# KiCad board matrix-7seg8-x02-x06.kicad_pcb (continued)
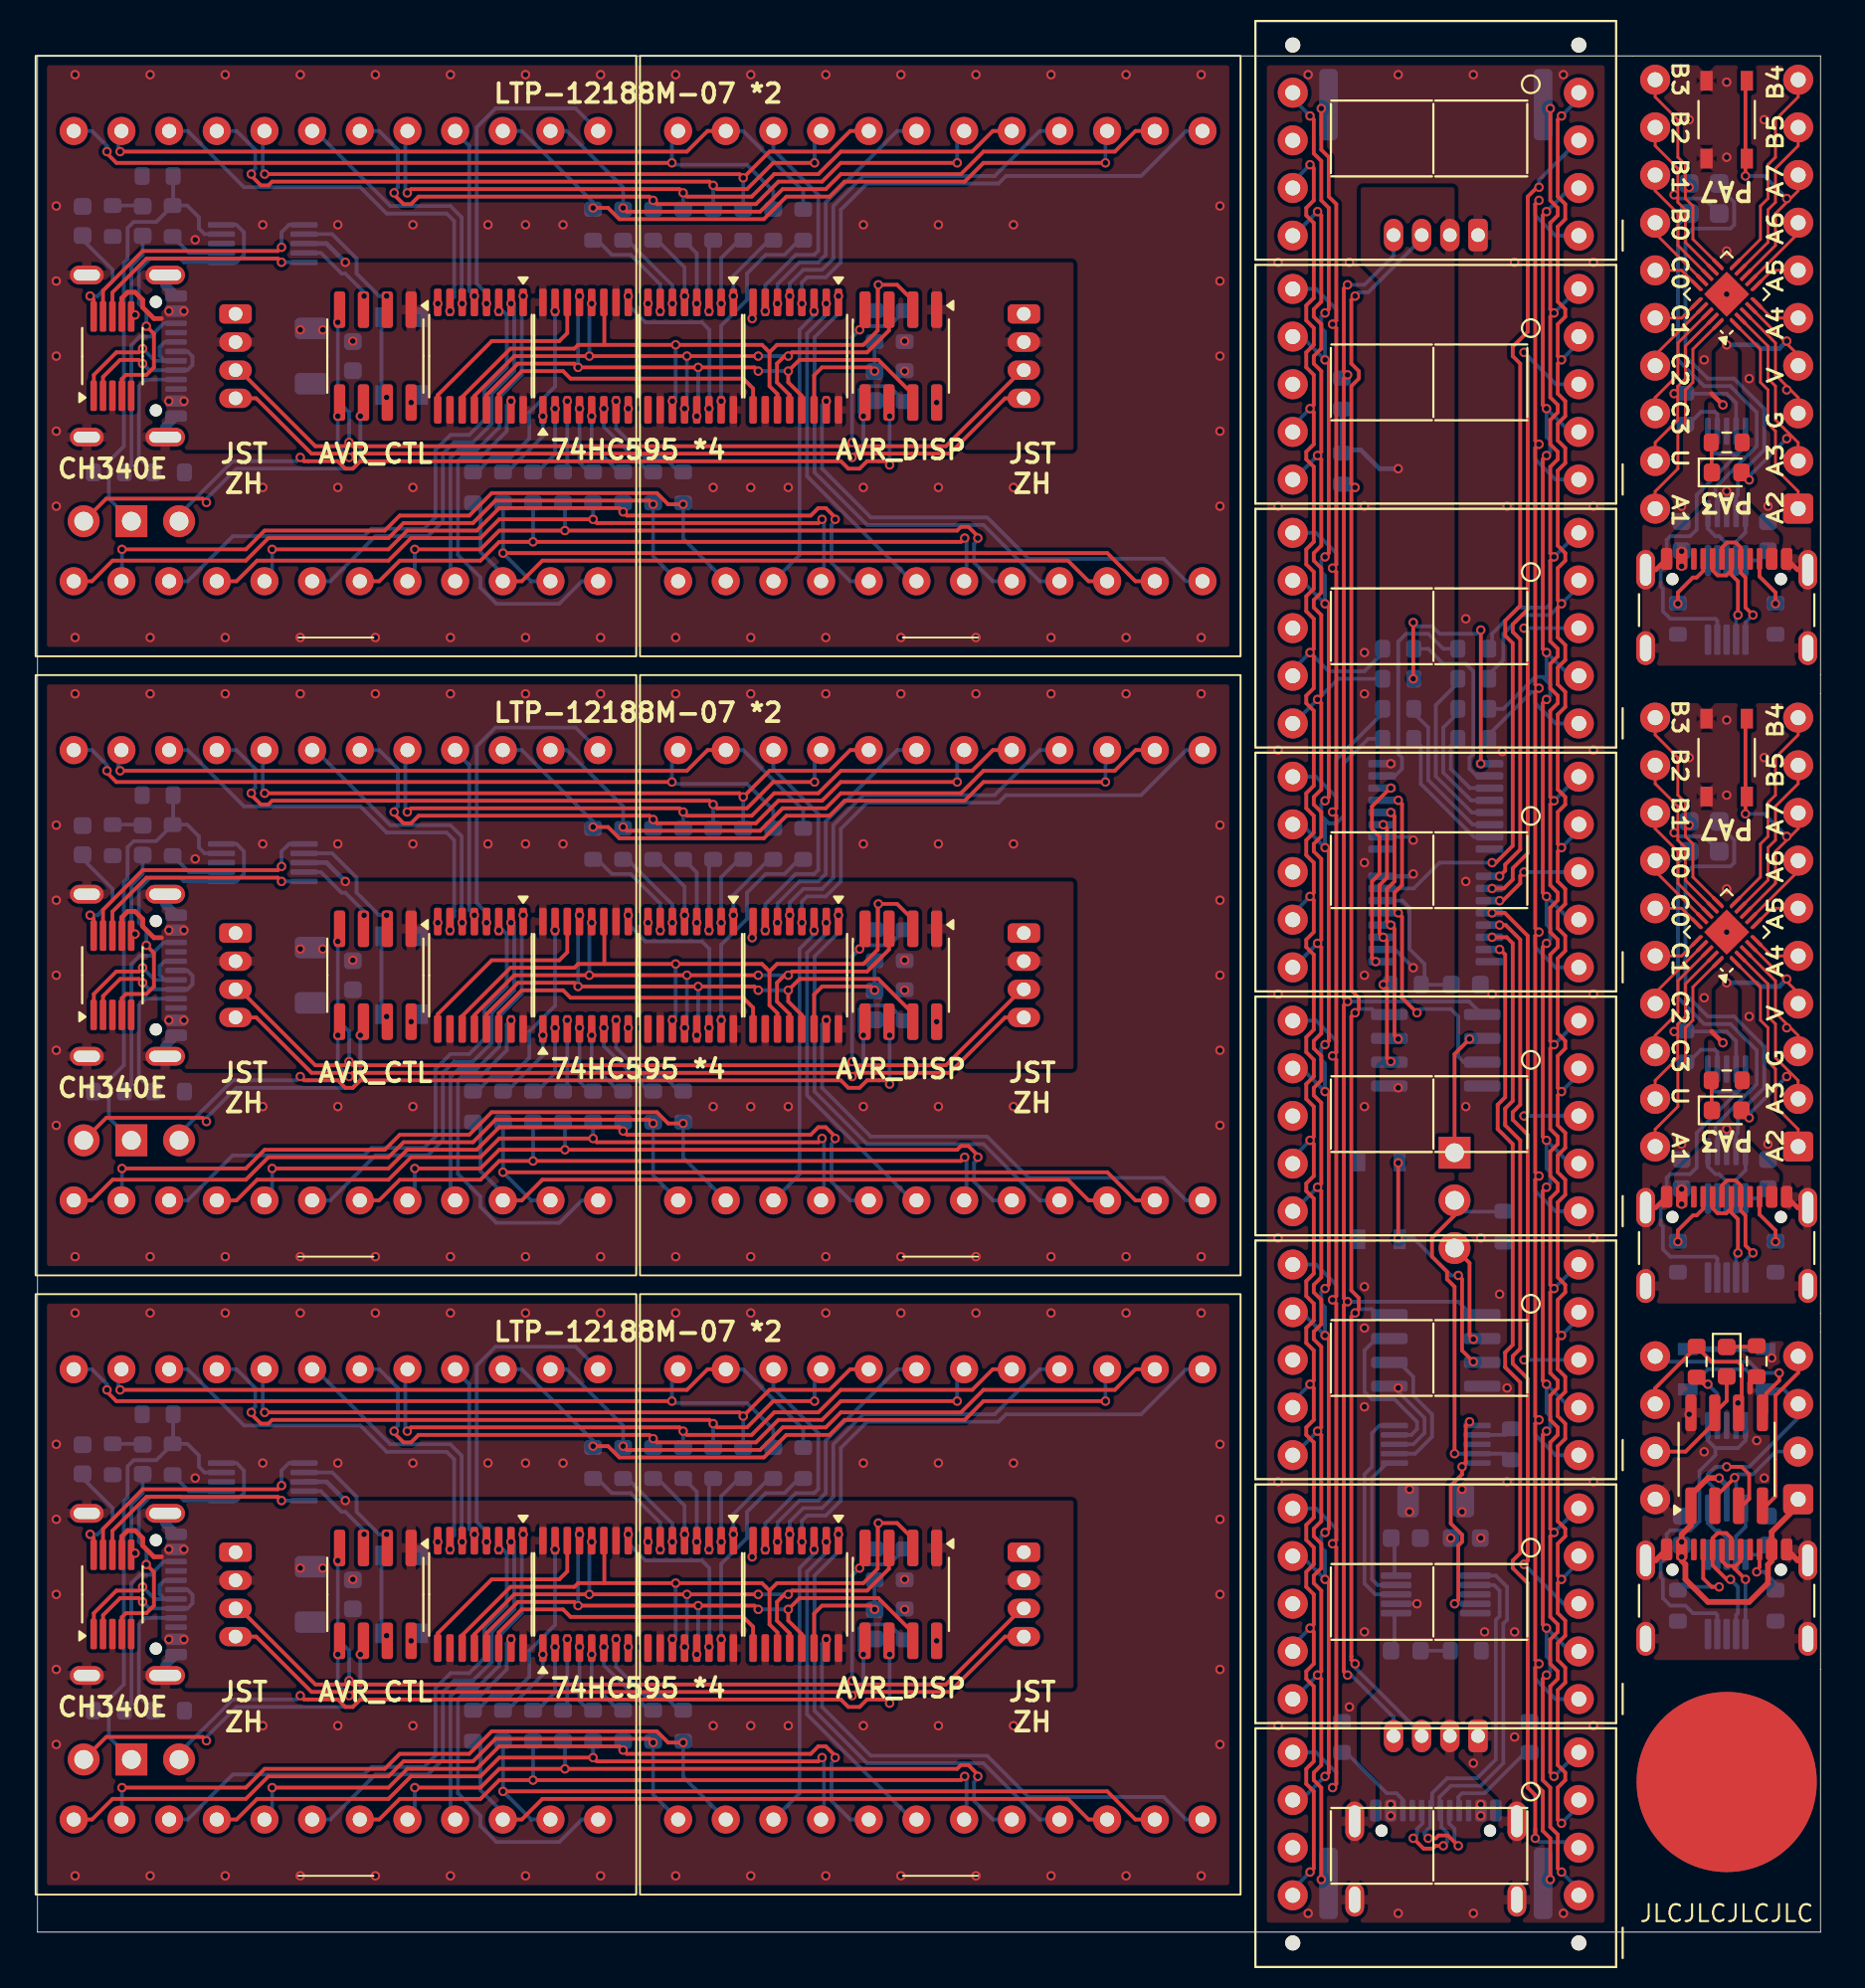
[diagram p0: board, top side]
## Routing (per net, layer and track width the routed paths; a pad name or vN(x,y) marks a point on that pad's centre or on a via; arc(x,y) is an arc through that point) (continued)
/ROW10: length 40.4
  Bottom w0.2: D2#3.19 45.8,96 42,92.2 42,89.4 41.6,89 40.6,89 39.42,87.83 v1(39.42,86.8) ; D2#2.19 45.8,30 42,26.2 42,23.4 41.6,23 40.6,23 39.42,21.83 v1(39.42,20.8) ; v1(39.42,53.8) 39.42,54.83 40.6,56 41.6,56 42,56.4 42,59.2 45.8,63 D2.19
/ROW11: length 60.2
  Bottom w0.2: D2#2.16 53.4,30 51,27.6 44,27.6 42.4,26 42.4,23.2 41.8,22.6 40.8,22.6 40.08,21.88 v1(40.08,21.2) ; D2.16 53.4,63 51,60.6 44,60.6 42.4,59 42.4,56.2 41.8,55.6 40.8,55.6 40.08,54.88 v1(40.08,54.2) ; D2#3.16 53.4,96 51,93.6 44,93.6 42.4,92 42.4,89.2 41.8,88.6 40.8,88.6 40.08,87.88 v1(40.08,87.2)
/ROW12: length 82.4
  Bottom w0.2: D2#3.13 61.2,96 58.8,93.6 51.6,93.6 51.2,93.2 44.2,93.2 42.8,91.8 42.8,89 42,88.2 41,88.2 40.73,87.92 v1(40.73,86.8) ; D2.13 61.2,63 58.8,60.6 51.6,60.6 51.2,60.2 44.2,60.2 42.8,58.8 42.8,56 42,55.2 41,55.2 40.73,54.92 v1(40.73,53.8) ; v1(40.73,20.8) 40.73,21.92 41,22.2 42,22.2 42.8,23 42.8,25.8 44.2,27.2 51.2,27.2 51.6,27.6 58.8,27.6 61.2,30 D2#2.13
/ROW13: length 45.9
  Bottom w0.2: D2#3.3 40.6,73.39 40.6,85.4 41.38,86.17 v1(41.38,86.4) ; D2.3 40.6,40.39 40.6,52.4 41.38,53.17 v1(41.38,53.4) ; v1(41.38,20.4) 41.38,20.17 40.6,19.4 40.6,7.39 D2#2.3
/ROW14: length 53.3
  Bottom w0.2: D2.6 46.6,39 41,44.6 41,52.2 42.02,53.22 v1(42.02,53.8) ; D2#2.6 46.6,6 41,11.6 41,19.2 42.02,20.22 v1(42.02,20.8) ; D2#3.6 46.6,72 41,77.6 41,85.2 42.02,86.22 v1(42.02,86.8)
/ROW15: length 76.1
  Bottom w0.2: D2#3.9 53.4,72 50.4,75 44.2,75 41.4,77.8 41.4,85 42.67,86.28 v1(42.67,87.2) ; D2#2.9 53.4,6 50.4,9 44.2,9 41.4,11.8 41.4,19 42.67,20.28 v1(42.67,21.2) ; v1(42.67,54.2) 42.67,53.28 41.4,52 41.4,44.8 44.2,42 50.4,42 53.4,39 D2.9
/ROW16: length 79.3
  Bottom w0.2: v1(42.02,48.6) 41.8,48.38 41.8,45 44.4,42.4 50.6,42.4 52.8,40.2 60,40.2 61.2,39 D2.12 ; v1(42.02,15.6) 41.8,15.38 41.8,12 44.4,9.4 50.6,9.4 52.8,7.2 60,7.2 61.2,6 D2#2.12 ; D2#3.12 61.2,72 60,73.2 52.8,73.2 50.6,75.4 44.4,75.4 41.8,78 41.8,81.38 v1(42.02,81.6)
/RTS#: length 51.2
  Top w0.2: U8#4.4 4.49,49.78 4.71,50 5.8,50 6.2,50.4 6.2,52.19 v1(5.8,52.6) ; v1(5.8,85.6) 6.2,85.19 6.2,83.4 5.8,83 4.71,83 4.49,82.78 U8#2.4 ; v1(5.8,19.6) 6.2,19.19 6.2,17.4 5.8,17 4.71,17 4.49,16.78 U8.4
  Bottom w0.2: U7#4.5 10.6,91 11,90.6 11,89.4 10.6,89 U7#4.1 7.81,89 7.61,89.2 6,89.2 5.4,88.6 5.4,86.8 5.8,86.4 5.8,85.78 5.8,85.78 v1(5.8,85.6) ; U7#3.5 10.6,58 11,57.6 11,56.4 10.6,56 U7#3.1 7.81,56 7.61,56.2 6,56.2 5.4,55.6 5.4,53.8 5.8,53.4 5.8,52.78 5.8,52.78 v1(5.8,52.6) ; U7#2.5 10.6,25 11,24.6 11,23.4 10.6,23 U7#2.1 7.81,23 7.61,23.2 6,23.2 5.4,22.6 5.4,20.8 5.8,20.4 5.8,19.78 5.8,19.78 v1(5.8,19.6)
/RXD_AVR: length 12.8
  Bottom w0.2: U7#4.9 15.1,89.5 16.2,88.4 16.4,88.4 17.4,87.4 v1(17.4,87.2) ; v1(17.4,21.2) 17.4,21.4 16.4,22.4 16.2,22.4 15.1,23.5 U7#2.9 ; v1(17.4,54.2) 17.4,54.4 16.4,55.4 16.2,55.4 15.1,56.5 U7#3.9
/RXD_USB: length 42
  Top w0.2: U8#4.9 3.49,54.49 5.6,56.6 12.8,56.6 v1(13,56.8) ; v1(13,23.8) 12.8,23.6 5.6,23.6 3.49,21.49 U8.9 ; U8#2.9 3.49,87.49 5.6,89.6 12.8,89.6 v1(13,89.8)
  Bottom w0.2: v1(13,23.8) 13,24.6 13.4,25 U7#2.6 ; v1(13,56.8) 13,57.6 13.4,58 U7#3.6 ; v1(13,89.8) 13,90.6 13.4,91 U7#4.6
/SCL: length 161.9
  Top w0.2: J1#5.4 11.65,48.75 14.6,45.8 16.4,45.8 v1(16.6,45.6) 16.8,45.8 43.2,45.8 v1(43.4,45.6) 43.6,45.8 45,45.8 48.6,45.8 51.55,48.75 J2#6.4 ; J2#4.4 51.55,15.75 48.6,12.8 45,12.8 43.6,12.8 v1(43.4,12.6) 43.2,12.8 16.8,12.8 v1(16.6,12.6) 16.4,12.8 14.6,12.8 11.65,15.75 J1#4.4 ; J1#3.4 11.65,81.75 14.6,78.8 16.4,78.8 v1(16.6,78.6) 16.8,78.8 43.2,78.8 v1(43.4,78.6) 43.6,78.8 45,78.8 48.6,78.8 51.55,81.75 J2#5.4
  Bottom w0.2: 46.2,81.58 45.38,82.4 44,82.4 43.8,82.2 43.8,81 v1(44,80.8) 44,79.2 v1(43.4,78.6) ; v1(16,80.8) 16,79.2 v1(16.6,78.6) ; v1(16.6,12.6) 16,13.2 v1(16,14.8) ; R19#2.1 45.38,16.4 44,16.4 43.8,16.2 43.8,15 v1(44,14.8) 44,13.2 v1(43.4,12.6) ; v1(16.6,45.6) 16,46.2 v1(16,47.8) ; v1(43.4,45.6) 44,46.2 v1(44,47.8) 43.8,48 43.8,49.2 44,49.4 45.38,49.4 R19#3.1
/SDA: length 184
  Top w0.2: J2#6.3 52.45,50.25 48.4,46.2 43.6,46.2 v1(43.4,46.4) 43.2,46.2 16.8,46.2 v1(16.6,46.4) 16.4,46.2 14.8,46.2 10.75,50.25 J1#5.3 ; J2#4.3 52.45,17.25 48.4,13.2 43.6,13.2 v1(43.4,13.4) 43.2,13.2 16.8,13.2 v1(16.6,13.4) 16.4,13.2 14.8,13.2 10.75,17.25 J1#4.3 ; J2#5.3 52.45,83.25 48.4,79.2 43.6,79.2 v1(43.4,79.4) 43.2,79.2 16.8,79.2 v1(16.6,79.4) 16.4,79.2 14.8,79.2 10.75,83.25 J1#3.3
  Bottom w0.2: v1(43.4,79.4) 43.4,85 v1(43.8,85.4) 44,85.6 45.38,85.6 46.2,86.42 ; v1(43.4,13.4) 43.4,19 v1(43.8,19.4) 44,19.6 45.38,19.6 R18#3.1 ; v1(16,52.8) 16,48.6 16.6,48 v1(16.6,46.4) ; v1(43.4,46.4) 43.4,52 v1(43.8,52.4) 44,52.6 45.38,52.6 R18.1 ; v1(16,85.8) 16,81.6 16.6,81 v1(16.6,79.4) ; v1(16.6,13.4) 16.6,15 16,15.6 v1(16,19.8)
/SER: length 20.8
  Top w0.2: v1(44.6,17.2) 44.4,17.4 41.8,17.4 41.38,16.97 U4#3.14 ; U4#2.14 41.38,82.97 41.8,83.4 44.4,83.4 v1(44.6,83.2) ; v1(44.6,50.2) 44.4,50.4 41.8,50.4 41.38,49.97 U4#4.14
  Bottom w0.2: C1.1 44.6,18.78 ; C1#3.1 R17.2 ; C1#5.1 44.6,51.78
/SERCLK: length 119.1
  Top w0.2: U3#3.11 22.62,15.83 25.2,18.4 28.6,18.4 28.8,18.6 v1(34,18.6) 38.6,18.6 39,18.2 ; 39,84.2 39,82.4 39.42,81.97 U4#2.11 ; 39,84.2 39.4,84.6 44,84.6 44.76,85.36 44.76,87.76 v1(44.8,87.8) 45.8,87.8 46.64,86.97 U5#3.2 ; 39,84.2 38.6,84.6 v1(34,84.6) 28.8,84.6 28.6,84.4 25.2,84.4 22.62,81.83 U3#4.11 ; U5.2 46.64,20.97 45.8,21.8 v1(44.8,21.8) 44.76,21.76 44.76,19.36 44,18.6 39.4,18.6 39,18.2 ; 30.2,84.6 30.2,86.84 U2#3.11 ; 39,18.2 39,16.4 39.42,15.97 U4#3.11 ; U2#2.11 30.2,20.84 30.2,18.6 ; 30.2,51.6 30.2,53.84 U2.11 ; 39,51.2 39,49.4 39.42,48.97 U4#4.11 ; 39,51.2 38.6,51.6 v1(34,51.6) 28.8,51.6 28.6,51.4 25.2,51.4 22.62,48.83 U3.11 ; 39,51.2 39.4,51.6 44,51.6 44.76,52.36 44.76,54.76 v1(44.8,54.8) 45.8,54.8 46.64,53.97 U5#2.2
  Bottom w0.2: v1(34,18.6) 34,15.78 v1(33.83,15.6) ; v1(44.8,54.8) 44.8,53.42 ; v1(34,51.6) 34,48.78 v1(33.83,48.6) ; v1(44.8,21.8) 44.8,20.42 ; v1(34,84.6) 34,81.78 v1(33.83,81.6) ; v1(44.8,87.8) 44.8,86.42
/TNOW: length 16.5
  Top w0.2: v1(5.2,20.2) 5.11,20.11 U8.6 ; U8#4.6 5.11,53.11 v1(5.2,53.2) ; v1(5.2,86.2) 5.11,86.11 U8#2.6
  Bottom w0.2: D3#3.2 72.3,15.19 72.3,16.91 U12.6 ; v1(5.2,53.2) 5.11,53.28 5.11,53.28 5,53.4 5,55.8 5.6,56.4 D3#4.2 ; D3#2.2 5.6,23.4 5,22.8 5,20.4 5.11,20.28 5.11,20.28 v1(5.2,20.2) ; v1(5.2,86.2) 5.11,86.28 5.11,86.28 5,86.4 5,88.8 5.6,89.4 D3.2
/TXD_AVR: length 18.7
  Bottom w0.2: v1(18.6,54.2) 18.2,54.2 17,55.4 17,56.2 15.7,57.5 U7#3.7 ; U7#4.7 15.7,90.5 17,89.2 17,88.4 18.2,87.2 v1(18.6,87.2) ; U7#2.7 15.7,24.5 17,23.2 17,22.4 18.2,21.2 v1(18.6,21.2)
/TXD_USB: length 37
  Top w0.2: v1(13,23) 12.8,23.2 5.8,23.2 3.99,21.39 U8.8 ; U8#4.8 3.99,54.39 5.8,56.2 12.8,56.2 v1(13,56) ; U8#2.8 3.99,87.39 5.8,89.2 12.8,89.2 v1(13,89)
  Bottom w0.2: v1(13,89) U7#4.10 ; v1(13,56) U7#3.10 ; v1(13,23) U7#2.10
A: length 114.9
  Top w0.2: v1(68.6,57.8) 68.8,57.6 68.8,47.5 v1(68.6,47.3) ; v1(67.8,96.8) 68,96.6 68,94.8 68.4,94.4 68.4,92.3 68.8,91.9 68.8,86.5 v1(68.6,86.3) ; v1(68.6,8.3) 68.8,8.5 68.8,18.6 v1(68.6,18.8) ; v1(68.6,70.8) 68.8,70.6 68.8,60.5 v1(68.6,60.3) ; v1(68.6,34.3) 68.8,34.5 68.8,44.6 v1(68.6,44.8) ; v1(68.6,73.3) 68.8,73.5 68.8,83.6 v1(68.6,83.8) ; v1(68.6,21.3) 68.8,21.5 68.8,31.6 v1(68.6,31.8)
  Bottom w0.2: v1(68.6,21.3) 68.4,21.1 68.4,20.5 68.6,20.3 v1(68.6,18.8) 67.36,20.04 U4.7 ; U8#3.7 67.36,72.04 v1(68.6,70.8) 68.6,72.3 68.4,72.5 68.4,73.1 v1(68.6,73.3) ; U6#4.7 67.36,46.04 v1(68.6,44.8) 68.6,46.3 68.4,46.5 68.4,47.1 v1(68.6,47.3) ; R1#6.2 70.9,63.6 69.6,62.3 69.6,59.5 69.2,59.1 68.8,59.1 68.6,59.3 ; v1(67.8,96.8) 66.88,97.72 U10.7 ; 68.6,59.3 v1(68.6,57.8) 67.36,59.04 U7.7 ; 68.6,59.3 68.4,59.5 68.4,60.1 v1(68.6,60.3) ; v1(68.6,8.3) 67.34,7.04 U3#2.7 ; v1(68.6,86.3) 68.4,86.1 68.4,85.5 68.6,85.3 v1(68.6,83.8) 67.36,85.04 U9.7 ; U5#4.7 67.36,33.04 v1(68.6,31.8) 68.6,33.3 68.4,33.5 68.4,34.1 v1(68.6,34.3)
B: length 122.2
  Top w0.2: v1(69,7.7) 69.2,7.9 69.2,20.5 v1(69,20.7) 69.2,20.9 69.2,33.5 v1(69,33.7) 69.2,33.9 69.2,46.5 v1(69,46.7) 69.2,46.9 69.2,59.5 v1(69,59.7) 69.2,59.9 69.2,72.5 v1(69,72.7) 69.2,72.9 69.2,85.5 v1(69,85.7) 69.2,85.9 69.2,92.1 68.8,92.5 68.8,94.6 68.4,95 v1(68.4,97.2)
  Bottom w0.2: v1(69,7.7) 69.2,7.9 69.2,8.5 68.12,9.58 U3#2.6 ; U9.6 68.12,87.58 69.2,86.5 69.2,85.9 v1(69,85.7) ; U8#3.6 68.12,74.58 69.2,73.5 69.2,72.9 v1(69,72.7) ; R2#7.2 71.67,64.97 69.2,62.5 69.2,60.5 ; v1(69,59.7) 69.2,59.9 69.2,60.5 ; v1(69,33.7) 69.2,33.9 69.2,34.5 68.12,35.58 U5#4.6 ; 69.2,60.5 68.12,61.58 U7.6 ; v1(69,46.7) 69.2,46.9 69.2,47.5 68.12,48.58 U6#4.6 ; U4.6 68.12,22.58 69.2,21.5 69.2,20.9 v1(69,20.7)
BTN: length 25.4
  Top w0.2: v1(76.5,30.4) 75.9,31 75.9,34.8 v1(75.7,35) ; v1(72.5,37) v1(72.5,41)
  Bottom w0.2: v1(72.5,37) 73.3,37 75.3,35 v1(75.7,35) ; SW1#3.1 SW1#3.1 ; SW1#5.1 SW1#5.1 ; SW1#4.1 SW1#4.1
  vias: v1(18.6,81.8) v1(18.6,48.8) v1(18.6,15.8)
C: length 118.2
  Top w0.2: v1(81.2,96.8) 81,96.6 81,92.5 81.4,92.1 81.4,91.3 81,90.9 81,86.9 81.4,86.5 81.4,86.1 81,85.7 81,84 v1(81.2,83.8) 81,83.6 81,82 81.4,81.6 81.4,80.8 81,80.4 81,79.5 81.4,79.1 81.4,78.3 81,77.9 81,73.9 81.4,73.5 81.4,73.1 81,72.7 81,71 v1(81.2,70.8) 81,70.6 81,69 81.4,68.6 81.4,67.8 81,67.4 81,66.5 81.4,66.1 81.4,65.3 81,64.9 81,60.9 81.4,60.5 81.4,60.1 81,59.7 81,58 v1(81.2,57.8) 81,57.6 81,56 81.4,55.6 81.4,54.8 81,54.4 81,53.5 81.4,53.1 81.4,52.3 81,51.9 81,47.9 81.4,47.5 81.4,47.1 81,46.7 81,45 v1(81.2,44.8) 81,44.6 81,43 81.4,42.6 81.4,41.8 81,41.4 81,40.5 81.4,40.1 81.4,39.3 81,38.9 81,34.9 81.4,34.5 81.4,34.1 81,33.7 81,32 v1(81.2,31.8) 81,31.6 81,30 81.4,29.6 81.4,28.8 81,28.4 81,27.5 81.4,27.1 81.4,26.3 81,25.9 81,21.9 81.4,21.5 81.4,21.1 81,20.7 81,19 v1(81.2,18.8) 81,18.6 81,17 81.4,16.6 81.4,15.8 81,15.4 81,14.5 81.4,14.1 81.4,13.3 81,12.9 81,8.9 81.4,8.5 81.4,8.1 81,7.7 81,6 v1(81.2,5.8)
  Bottom w0.2: R3#4.2 77.33,67.03 78.1,67.8 78.1,69.2 79.1,70.2 80.6,70.2 v1(81.2,70.8) 82.12,71.72 U8#3.4 ; v1(81.2,5.8) 82.12,6.72 U3#2.4 ; U4.4 82.12,19.72 v1(81.2,18.8) ; v1(81.2,44.8) 82.12,45.72 U6#4.4 ; U7.4 82.12,58.72 v1(81.2,57.8) ; v1(81.2,83.8) 82.12,84.72 U9.4 ; v1(81.2,96.8) 82.12,97.72 U10.4 ; v1(81.2,31.8) 82.12,32.72 U5#4.4
C0: length 51.7
  Top w0.2: 79.8,5.2 79.8,7.3 79.4,7.7 79.4,18.6 78.6,19.4 78.6,19.8 79,20.2 79,29.3 78.2,30.1 78.2,30.13 78.2,30.13 78.2,30.87 78.2,30.87 78.2,30.9 78.6,31.3 78.6,42 77.8,42.8 77.8,42.83 77.8,42.83 77.8,44.07 77.8,44.07 77.8,44.1 78.2,44.5 78.2,52.1 77.92,52.38 v1(77.9,52.38) ; 79.8,5.5 79.8,5.3
  Bottom w0.2: U3#2.3 81.82,4.8 80,4.8 v1(79.8,5)
C1: length 39.2
  Top w0.2: v1(77.5,53.03) 78.28,53.03 78.6,52.7 78.6,44.3 78.2,43.9 78.2,43.87 78.2,43.87 78.2,43.13 78.2,43.13 78.2,43 79,42.2 79,31.1 78.6,30.7 78.6,30.3 79.4,29.5 79.4,19.8 v1(79.2,19.6)
  Bottom w0.2: v1(79.2,19.6) 81.3,17.5 U4.3
C2: length 27.3
  Top w0.2: v1(77.9,53.67) 78.22,53.67 79,52.9 79,44.1 78.6,43.7 78.6,43.3 79.4,42.5 79.4,30.7 v1(79.2,30.5)
  Bottom w0.2: v1(79.2,30.5) U5#4.3
C3: length 15
  Top w0.2: v1(77.5,54.33) 78.17,54.33 79.4,53.1 79.4,43.7 v1(79.2,43.5)
  Bottom w0.2: v1(79.2,43.5) U6#4.3
C4: length 5.1
  Top w0.2: v1(79.2,56.5) 79,56.3 79,55.9 78.08,54.97 v1(77.9,54.97)
  Bottom w0.2: v1(79.2,56.5) U7.3
C5: length 18
  Top w0.2: v1(77.5,55.62) 78.12,55.62 78.6,56.1 78.6,56.7 79.4,57.5 79.4,69.3 v1(79.2,69.5)
  Bottom w0.2: v1(79.2,69.5) U8#3.3
C6: length 32.6
  Top w0.2: v1(79.2,84.2) 79.4,84 79.4,70.5 78.6,69.7 78.6,69.3 79,68.9 79,57.7 78.2,56.9 78.2,56.58 v1(77.9,56.27)
  Bottom w0.2: v1(79.2,84.2) 80.9,82.5 U9.3
C7: length 47.7
  Top w0.2: v1(80,93) 79.9,93 79.4,92.5 79.4,85.3 78.6,84.5 78.6,84 79,83.6 79,70.7 78.2,69.9 78.2,69.1 78.6,68.7 78.6,57.9 77.7,57 v1(77.5,57)
  Bottom w0.2: v1(77.5,57) 74.7,57 73.33,55.62 U1#7.15 ; v1(80,93) 80,93.38 U10.3
D: length 112.1
  Top w0.2: v1(80.4,26.7) 80.2,26.5 80.2,16.4 v1(80.4,16.2) ; v1(80.4,81.2) 80.2,81.4 80.2,91.5 v1(80.4,91.7) ; v1(80.4,29.2) 80.2,29.4 80.2,39.5 v1(80.4,39.7) ; v1(80.4,55.2) 80.2,55.4 80.2,65.5 v1(80.4,65.7) ; v1(80.4,78.7) 80.2,78.5 80.2,68.4 v1(80.4,68.2) ; v1(80.4,42.2) 80.2,42.4 80.2,52.5 v1(80.4,52.7) ; v1(81.2,3.2) 81,3.4 81,5.2 80.6,5.6 80.6,7.7 80.2,8.1 80.2,13.5 v1(80.4,13.7)
  Bottom w0.2: 80.4,66.7 v1(80.4,68.2) 81.64,66.96 U8#3.2 ; 80.4,66.7 80.2,66.9 79.8,66.9 78.1,65.2 R4#2.2 ; 80.4,66.7 80.6,66.5 80.6,65.9 v1(80.4,65.7) ; U7.2 81.64,53.96 v1(80.4,55.2) 80.4,53.7 80.6,53.5 80.6,52.9 v1(80.4,52.7) ; v1(80.4,13.7) 80.6,13.9 80.6,14.5 80.4,14.7 v1(80.4,16.2) 81.64,14.96 U4.2 ; v1(80.4,91.7) 81.66,92.96 U10.2 ; U9.2 81.64,79.96 v1(80.4,81.2) 80.4,79.7 80.6,79.5 80.6,78.9 v1(80.4,78.7) ; v1(80.4,39.7) 80.6,39.9 80.6,40.5 80.4,40.7 v1(80.4,42.2) 81.64,40.96 U6#4.2 ; v1(80.4,26.7) 80.6,26.9 80.6,27.5 80.4,27.7 v1(80.4,29.2) 81.64,27.96 U5#4.2 ; U3#2.2 82.12,2.28 v1(81.2,3.2)
D+: length 69.1
  Top w0.2: v1(91.4,36.2) 91,36.6 91,38.2 90.75,38.45 J2#3.B6 90.75,39.8 90.48,40.07 90.02,40.07 89.75,39.8 J2#3.A6 ; J2.A6 89.75,73.8 90.02,74.07 90.48,74.07 90.75,73.8 J2.B6 90.75,72.45 91,72.2 91,70.6 v1(91.4,70.2) ; v1(5.6,84.4) 5.4,84.2 4.2,84.2 3,83 3,81.9 U8#2.1 ; v1(73.3,5) 73.85,4.45 74.33,4.45 74.48,4.6 v1(74.9,4.6) ; U8.1 3,15.9 3,17 4.2,18.2 5.4,18.2 v1(5.6,18.4) ; 90.48,19.51 90.75,19.78 J3.B6 ; 90.48,19.51 90.02,19.51 89.75,19.78 J3.A6 ; 90.48,19.51 90.4,19.43 90.4,19.4 v1(91,18.8) ; v1(5.6,51.4) 5.4,51.2 4.2,51.2 3,50 3,48.9 U8#4.1
  Bottom w0.2: J3#4.B6 6.77,84.75 6.5,84.48 6.5,84.02 6.77,83.75 J3#4.A6 6.25,83.75 v1(5.6,84.4) ; v1(91,18.8) U2#7.1 ; v1(5.6,18.4) 6.25,17.75 J3#5.A6 6.77,17.75 6.5,18.02 6.5,18.48 6.77,18.75 J3#5.B6 ; U2#6.1 91,69.8 v1(91.4,70.2) ; v1(73.3,5) 73.5,5.2 73.5,5.5 73.8,5.8 73.8,6.43 J4.B6 ; J3#3.B6 6.77,51.75 6.5,51.48 6.5,51.02 6.77,50.75 J3#3.A6 6.25,50.75 v1(5.6,51.4) ; U12.1 77.7,19 78.3,18.4 78.3,16.64 78.1,16.44 78.1,9 76.9,7.8 75.3,7.8 74.7,7.2 74.7,6.53 J4.A6 74.8,6.43 74.8,5.6 75.1,5.3 75.1,4.8 v1(74.9,4.6) ; U2#4.1 91,35.8 v1(91.4,36.2)
D-: length 66.6
  Top w0.2: J3.A7 90.25,21 89.98,21.27 89.52,21.27 89.25,21 J3.B7 89.25,19.55 90,18.8 v1(90.2,18.8) ; v1(5.6,50.6) 5.4,50.8 4.4,50.8 3.49,49.89 U8#4.2 ; v1(74.1,5) 74.5,5 74.65,5.15 75.15,5.15 v1(75.7,4.6) ; v1(90.6,70.2) 90.6,72 90.25,72.35 J2.A7 90.25,72.58 89.98,72.31 89.52,72.31 89.25,72.58 J2.B7 ; v1(5.6,17.6) 5.4,17.8 4.4,17.8 3.49,16.89 U8.2 ; v1(5.6,83.6) 5.4,83.8 4.4,83.8 3.49,82.89 U8#2.2 ; J2#3.B7 89.25,38.58 89.52,38.31 89.98,38.31 90.25,38.58 J2#3.A7 90.25,38.35 90.6,38 v1(90.6,36.2)
  Bottom w0.2: J3#5.A7 7.99,18.25 8.26,17.98 8.26,17.52 7.99,17.25 J3#5.B7 5.95,17.25 v1(5.6,17.6) ; v1(90.2,18.8) 90.6,18.4 90.6,17 90.5,16.9 U2#7.2 ; J3#3.A7 7.99,51.25 8.26,50.98 8.26,50.52 7.99,50.25 J3#3.B7 5.95,50.25 v1(5.6,50.6) ; v1(90.6,36.2) 90.5,36.1 U2#4.2 ; v1(75.7,4.6) 75.5,4.8 75.5,5.5 75.2,5.8 75.2,6.43 J4.B7 ; U2#6.2 90.5,70.1 v1(90.6,70.2) ; v1(5.6,83.6) 5.95,83.25 J3#4.B7 7.99,83.25 8.26,83.52 8.26,83.98 7.99,84.25 J3#4.A7 ; v1(74.1,5) 73.9,5.2 73.9,5.3 74.2,5.6 74.2,6.43 J4.A7 74.3,6.53 74.3,7.4 75.1,8.2 76.7,8.2 77.7,9.2 77.7,16.63 77.9,16.83 77.9,17.05 77.9,17.05 77.9,18.2 77.6,18.5 U12.2
E: length 120.1
  Top w0.2: v1(80.6,2.8) 80.6,5 80.2,5.4 80.2,7.5 79.8,7.9 79.8,14.1 v1(80,14.3) 79.8,14.5 79.8,27.1 v1(80,27.3) 79.8,27.5 79.8,40.1 v1(80,40.3) 79.8,40.5 79.8,53.1 v1(80,53.3) 79.8,53.5 79.8,66.1 v1(80,66.3) 79.8,66.5 79.8,79.1 v1(80,79.3) 79.8,79.5 79.8,92.1 v1(80,92.3)
  Bottom w0.2: 79.8,66.1 79.8,65.5 80.88,64.42 U8#3.1 ; 79.8,66.1 v1(80,66.3) ; 79.8,66.1 79.6,66.1 77.33,63.83 R5#5.2 ; v1(80,14.3) 79.8,14.1 79.8,13.5 80.88,12.42 U4.1 ; U5#4.1 80.88,25.42 79.8,26.5 79.8,27.1 v1(80,27.3) ; v1(80,53.3) 79.8,53.1 79.8,52.5 80.88,51.42 U7.1 ; v1(80,79.3) 79.8,79.1 79.8,78.5 80.88,77.42 U9.1 ; U10.1 80.88,90.42 79.8,91.5 79.8,92.1 v1(80,92.3) ; U6#4.1 80.88,38.42 79.8,39.5 79.8,40.1 v1(80,40.3)
F: length 116.7
  Top w0.2: v1(67.8,94.2) 68,94 68,92.3 67.6,91.9 67.6,91.5 68,91.1 68,87.1 67.6,86.7 67.6,85.9 68,85.5 68,84.6 67.6,84.2 67.6,83.4 68,83 68,81.4 v1(67.8,81.2) 68,81 68,79.3 67.6,78.9 67.6,78.5 68,78.1 68,74.1 67.6,73.7 67.6,72.9 68,72.5 68,71.6 67.6,71.2 67.6,70.4 68,70 68,68.4 v1(67.8,68.2) 68,68 68,66.3 67.6,65.9 67.6,65.5 68,65.1 68,61.1 67.6,60.7 67.6,59.9 68,59.5 68,58.6 67.6,58.2 67.6,57.4 68,57 68,55.4 v1(67.8,55.2) 68,55 68,53.3 67.6,52.9 67.6,52.5 68,52.1 68,48.1 67.6,47.7 67.6,46.9 68,46.5 68,45.6 67.6,45.2 67.6,44.4 68,44 68,42.4 v1(67.8,42.2) 68,42 68,40.3 67.6,39.9 67.6,39.5 68,39.1 68,35.1 67.6,34.7 67.6,33.9 68,33.5 68,32.6 67.6,32.2 67.6,31.4 68,31 68,29.4 v1(67.8,29.2) 68,29 68,27.3 67.6,26.9 67.6,26.5 68,26.1 68,22.1 67.6,21.7 67.6,20.9 68,20.5 68,19.6 67.6,19.2 67.6,18.4 68,18 68,16.4 v1(67.8,16.2) 68,16 68,14.3 67.6,13.9 67.6,13.5 68,13.1 68,9.1 67.6,8.7 67.6,7.9 68,7.5 68,3.4 v1(67.8,3.2)
  Bottom w0.2: U4.9 66.88,15.28 v1(67.8,16.2) ; U6#4.9 66.88,41.28 v1(67.8,42.2) ; v1(67.8,3.2) 66.88,2.28 U3#2.9 ; U9.9 66.88,80.28 v1(67.8,81.2) ; v1(67.8,29.2) 66.88,28.28 U5#4.9 ; v1(67.8,94.2) 66.88,93.28 U10.9 ; R6#6.2 71.67,68.17 70.7,67.2 68.8,67.2 v1(67.8,68.2) 66.88,67.28 U8#3.9 ; v1(67.8,55.2) 66.88,54.28 U7.9
G: length 111.2
  Top w0.2: v1(68.2,91.7) 68.4,91.5 68.4,86.9 68,86.5 68,86.1 68.4,85.7 68.4,84.4 68,84 68,83.6 68.4,83.2 68.4,78.9 v1(68.2,78.7) 68.4,78.5 68.4,73.9 68,73.5 68,73.1 68.4,72.7 68.4,71.4 68,71 68,70.6 68.4,70.2 68.4,65.9 v1(68.2,65.7) 68.4,65.5 68.4,60.9 68,60.5 68,60.1 68.4,59.7 68.4,58.4 68,58 68,57.6 68.4,57.2 68.4,52.9 v1(68.2,52.7) 68.4,52.5 68.4,47.9 68,47.5 68,47.1 68.4,46.7 68.4,45.4 68,45 68,44.6 68.4,44.2 68.4,39.9 v1(68.2,39.7) 68.4,39.5 68.4,34.9 68,34.5 68,34.1 68.4,33.7 68.4,32.4 68,32 68,31.6 68.4,31.2 68.4,26.9 v1(68.2,26.7) 68.4,26.5 68.4,21.9 68,21.5 68,21.1 68.4,20.7 68.4,19.4 68,19 68,18.6 68.4,18.2 68.4,13.9 v1(68.2,13.7) 68.4,13.5 68.4,8.9 68,8.5 68,8.1 68.4,7.7 v1(68.4,2.8)
  Bottom w0.2: U9.10 66.92,77.42 v1(68.2,78.7) ; U10.10 66.92,90.42 v1(68.2,91.7) ; U6#4.10 66.92,38.42 v1(68.2,39.7) ; U4.10 66.92,12.42 v1(68.2,13.7) ; U8#3.10 66.92,64.42 v1(68.2,65.7) 69.3,66.8 R7#4.2 ; v1(68.2,52.7) 66.92,51.42 U7.10 ; U5#4.10 66.92,25.42 v1(68.2,26.7)
H: length 114.5
  Top w0.2: v1(80.6,97.2) 80.6,92.3 81,91.9 81,91.5 80.6,91.1 80.6,86.5 v1(80.8,86.3) 80.6,86.1 80.6,81.8 81,81.4 81,81 80.6,80.6 80.6,79.3 81,78.9 81,78.5 80.6,78.1 80.6,73.5 v1(80.8,73.3) 80.6,73.1 80.6,68.8 81,68.4 81,68 80.6,67.6 80.6,66.3 81,65.9 81,65.5 80.6,65.1 80.6,60.5 v1(80.8,60.3) 80.6,60.1 80.6,55.8 81,55.4 81,55 80.6,54.6 80.6,53.3 81,52.9 81,52.5 80.6,52.1 80.6,47.5 v1(80.8,47.3) 80.6,47.1 80.6,42.8 81,42.4 81,42 80.6,41.6 80.6,40.3 81,39.9 81,39.5 80.6,39.1 80.6,34.5 v1(80.8,34.3) 80.6,34.1 80.6,29.8 81,29.4 81,29 80.6,28.6 80.6,27.3 81,26.9 81,26.5 80.6,26.1 80.6,21.5 v1(80.8,21.3) 80.6,21.1 80.6,16.8 81,16.4 81,16 80.6,15.6 80.6,14.3 81,13.9 81,13.5 80.6,13.1 80.6,8.5 v1(80.8,8.3)